# Altium PCB ir-24v-shit5-7.PcbDoc (part 2 of 6)
Units mm, origin at the board's own origin, x right, y up, seen from the top; angles counter-clockwise.
Board outline 326.8 x 258 mm, 2 copper layers (Top Layer, Bottom Layer); 1190 components, 31 nets, 3220 pads, 0 vias.
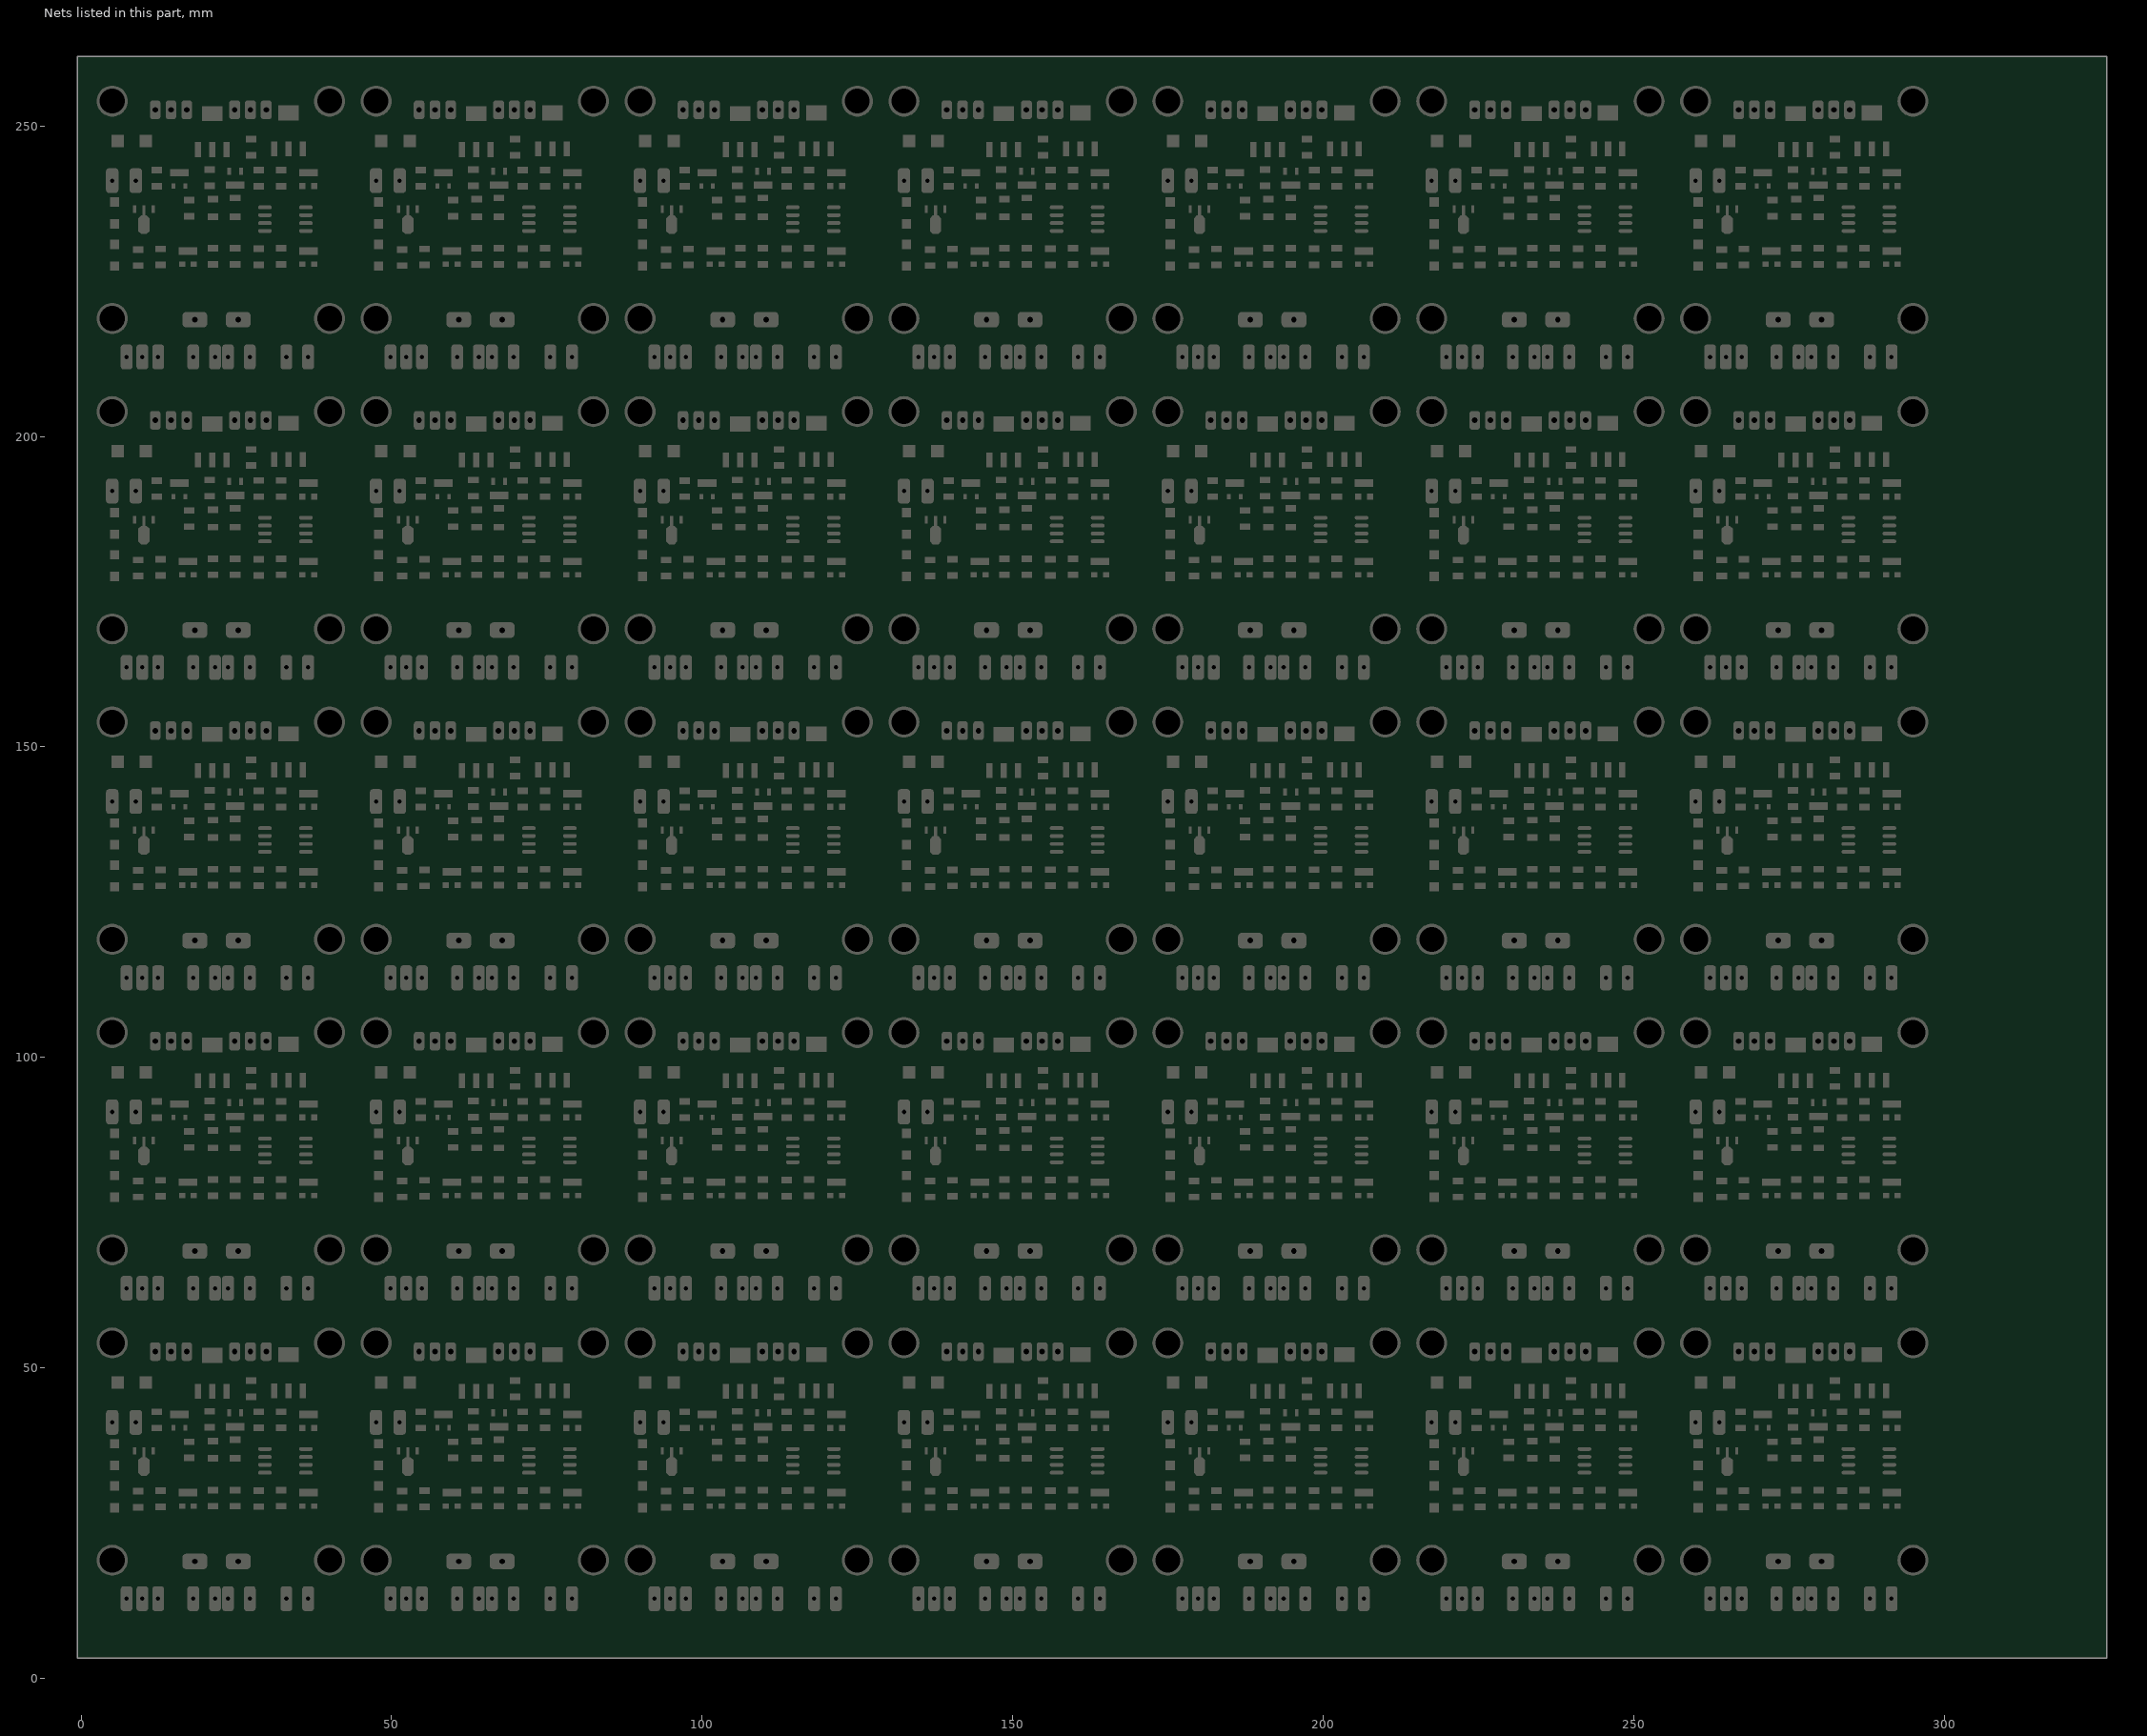
[diagram p2: the nets of this part, all layers, seen from the top]

## Components (designator, comment, footprint, x,y, rotation, side; value= is the part's Value field where it differs from the comment) (continued)
R12 "10K" "RES 1206 (3216X08L)"#1 113.587,128.924 r270 top
R12 "10K" "RES 1206 (3216X08L)"#1 113.587,178.924 r270 top
R12 "10K" "RES 1206 (3216X08L)"#1 113.587,228.924 r270 top
R12 "10K" "RES 1206 (3216X08L)"#1 71.087,28.924 r270 top
R12 "10K" "RES 1206 (3216X08L)"#1 71.087,78.924 r270 top
R12 "10K" "RES 1206 (3216X08L)"#1 71.087,128.924 r270 top
R12 "10K" "RES 1206 (3216X08L)"#1 71.087,178.924 r270 top
R12 "10K" "RES 1206 (3216X08L)"#1 71.087,228.924 r270 top
R12 "10K" "RES 1206 (3216X08L)"#1 28.587,28.924 r270 top
R12 "10K" "RES 1206 (3216X08L)"#1 28.587,78.924 r270 top
R12 "10K" "RES 1206 (3216X08L)"#1 28.587,128.924 r270 top
R12 "10K" "RES 1206 (3216X08L)"#1 28.587,178.924 r270 top
R12 "10K" "RES 1206 (3216X08L)"#1 28.587,228.924 r270 top
R13 "10K" "RES 1206 (3216X08L)"#1 267.8,28.905 r270 top
R13 "10K" "RES 1206 (3216X08L)"#1 267.8,78.905 r270 top
R13 "10K" "RES 1206 (3216X08L)"#1 267.8,128.905 r270 top
R13 "10K" "RES 1206 (3216X08L)"#1 267.8,178.905 r270 top
R13 "10K" "RES 1206 (3216X08L)"#1 267.8,228.905 r270 top
R13 "10K" "RES 1206 (3216X08L)"#1 225.3,28.905 r270 top
R13 "10K" "RES 1206 (3216X08L)"#1 225.3,78.905 r270 top
R13 "10K" "RES 1206 (3216X08L)"#1 225.3,128.905 r270 top
R13 "10K" "RES 1206 (3216X08L)"#1 225.3,178.905 r270 top
R13 "10K" "RES 1206 (3216X08L)"#1 225.3,228.905 r270 top
R13 "10K" "RES 1206 (3216X08L)"#1 182.8,28.905 r270 top
R13 "10K" "RES 1206 (3216X08L)"#1 182.8,78.905 r270 top
R13 "10K" "RES 1206 (3216X08L)"#1 182.8,128.905 r270 top
R13 "10K" "RES 1206 (3216X08L)"#1 182.8,178.905 r270 top
R13 "10K" "RES 1206 (3216X08L)"#1 182.8,228.905 r270 top
R13 "10K" "RES 1206 (3216X08L)"#1 140.3,28.905 r270 top
R13 "10K" "RES 1206 (3216X08L)"#1 140.3,78.905 r270 top
R13 "10K" "RES 1206 (3216X08L)"#1 140.3,128.905 r270 top
R13 "10K" "RES 1206 (3216X08L)"#1 140.3,178.905 r270 top
R13 "10K" "RES 1206 (3216X08L)"#1 140.3,228.905 r270 top
R13 "10K" "RES 1206 (3216X08L)"#1 97.8,28.905 r270 top
R13 "10K" "RES 1206 (3216X08L)"#1 97.8,78.905 r270 top
R13 "10K" "RES 1206 (3216X08L)"#1 97.8,128.905 r270 top
R13 "10K" "RES 1206 (3216X08L)"#1 97.8,178.905 r270 top
R13 "10K" "RES 1206 (3216X08L)"#1 97.8,228.905 r270 top
R13 "10K" "RES 1206 (3216X08L)"#1 55.3,28.905 r270 top
R13 "10K" "RES 1206 (3216X08L)"#1 55.3,78.905 r270 top
R13 "10K" "RES 1206 (3216X08L)"#1 55.3,128.905 r270 top
R13 "10K" "RES 1206 (3216X08L)"#1 55.3,178.905 r270 top
R13 "10K" "RES 1206 (3216X08L)"#1 55.3,228.905 r270 top
R13 "10K" "RES 1206 (3216X08L)"#1 12.8,28.905 r270 top
R13 "10K" "RES 1206 (3216X08L)"#1 12.8,78.905 r270 top
R13 "10K" "RES 1206 (3216X08L)"#1 12.8,128.905 r270 top
R13 "10K" "RES 1206 (3216X08L)"#1 12.8,178.905 r270 top
R13 "10K" "RES 1206 (3216X08L)"#1 12.8,228.905 r270 top
R15 "10K" "RES 1206 (3216X08L)"#1 276.2,29 r90 top
R15 "10K" "RES 1206 (3216X08L)"#1 276.2,79 r90 top
R15 "10K" "RES 1206 (3216X08L)"#1 276.2,129 r90 top
R15 "10K" "RES 1206 (3216X08L)"#1 276.2,179 r90 top
R15 "10K" "RES 1206 (3216X08L)"#1 276.2,229 r90 top
R15 "10K" "RES 1206 (3216X08L)"#1 233.7,29 r90 top
R15 "10K" "RES 1206 (3216X08L)"#1 233.7,79 r90 top
R15 "10K" "RES 1206 (3216X08L)"#1 233.7,129 r90 top
R15 "10K" "RES 1206 (3216X08L)"#1 233.7,179 r90 top
R15 "10K" "RES 1206 (3216X08L)"#1 233.7,229 r90 top
R15 "10K" "RES 1206 (3216X08L)"#1 191.2,29 r90 top
R15 "10K" "RES 1206 (3216X08L)"#1 191.2,79 r90 top
R15 "10K" "RES 1206 (3216X08L)"#1 191.2,129 r90 top
R15 "10K" "RES 1206 (3216X08L)"#1 191.2,179 r90 top
R15 "10K" "RES 1206 (3216X08L)"#1 191.2,229 r90 top
R15 "10K" "RES 1206 (3216X08L)"#1 148.7,29 r90 top
R15 "10K" "RES 1206 (3216X08L)"#1 148.7,79 r90 top
R15 "10K" "RES 1206 (3216X08L)"#1 148.7,129 r90 top
R15 "10K" "RES 1206 (3216X08L)"#1 148.7,179 r90 top
R15 "10K" "RES 1206 (3216X08L)"#1 148.7,229 r90 top
R15 "10K" "RES 1206 (3216X08L)"#1 106.2,29 r90 top
R15 "10K" "RES 1206 (3216X08L)"#1 106.2,79 r90 top
R15 "10K" "RES 1206 (3216X08L)"#1 106.2,129 r90 top
R15 "10K" "RES 1206 (3216X08L)"#1 106.2,179 r90 top
R15 "10K" "RES 1206 (3216X08L)"#1 106.2,229 r90 top
R15 "10K" "RES 1206 (3216X08L)"#1 63.7,29 r90 top
R15 "10K" "RES 1206 (3216X08L)"#1 63.7,79 r90 top
R15 "10K" "RES 1206 (3216X08L)"#1 63.7,129 r90 top
R15 "10K" "RES 1206 (3216X08L)"#1 63.7,179 r90 top
R15 "10K" "RES 1206 (3216X08L)"#1 63.7,229 r90 top
R15 "10K" "RES 1206 (3216X08L)"#1 21.2,29 r90 top
R15 "10K" "RES 1206 (3216X08L)"#1 21.2,79 r90 top
R15 "10K" "RES 1206 (3216X08L)"#1 21.2,129 r90 top
R15 "10K" "RES 1206 (3216X08L)"#1 21.2,179 r90 top
R15 "10K" "RES 1206 (3216X08L)"#1 21.2,229 r90 top
R16 "10K" "RES 1206 (3216X08L)"#1 279.8,29 r90 top
R16 "10K" "RES 1206 (3216X08L)"#1 279.8,79 r90 top
R16 "10K" "RES 1206 (3216X08L)"#1 279.8,129 r90 top
R16 "10K" "RES 1206 (3216X08L)"#1 279.8,179 r90 top
R16 "10K" "RES 1206 (3216X08L)"#1 279.8,229 r90 top
R16 "10K" "RES 1206 (3216X08L)"#1 237.3,29 r90 top
R16 "10K" "RES 1206 (3216X08L)"#1 237.3,79 r90 top
R16 "10K" "RES 1206 (3216X08L)"#1 237.3,129 r90 top
R16 "10K" "RES 1206 (3216X08L)"#1 237.3,179 r90 top
R16 "10K" "RES 1206 (3216X08L)"#1 237.3,229 r90 top
R16 "10K" "RES 1206 (3216X08L)"#1 194.8,29 r90 top
R16 "10K" "RES 1206 (3216X08L)"#1 194.8,79 r90 top
R16 "10K" "RES 1206 (3216X08L)"#1 194.8,129 r90 top
R16 "10K" "RES 1206 (3216X08L)"#1 194.8,179 r90 top
R16 "10K" "RES 1206 (3216X08L)"#1 194.8,229 r90 top
R16 "10K" "RES 1206 (3216X08L)"#1 152.3,29 r90 top
R16 "10K" "RES 1206 (3216X08L)"#1 152.3,79 r90 top
R16 "10K" "RES 1206 (3216X08L)"#1 152.3,129 r90 top
R16 "10K" "RES 1206 (3216X08L)"#1 152.3,179 r90 top
R16 "10K" "RES 1206 (3216X08L)"#1 152.3,229 r90 top
R16 "10K" "RES 1206 (3216X08L)"#1 109.8,29 r90 top
R16 "10K" "RES 1206 (3216X08L)"#1 109.8,79 r90 top
R16 "10K" "RES 1206 (3216X08L)"#1 109.8,129 r90 top
R16 "10K" "RES 1206 (3216X08L)"#1 109.8,179 r90 top
R16 "10K" "RES 1206 (3216X08L)"#1 109.8,229 r90 top
R16 "10K" "RES 1206 (3216X08L)"#1 67.3,29 r90 top
R16 "10K" "RES 1206 (3216X08L)"#1 67.3,79 r90 top
R16 "10K" "RES 1206 (3216X08L)"#1 67.3,129 r90 top
R16 "10K" "RES 1206 (3216X08L)"#1 67.3,179 r90 top
R16 "10K" "RES 1206 (3216X08L)"#1 67.3,229 r90 top
R16 "10K" "RES 1206 (3216X08L)"#1 24.8,29 r90 top
R16 "10K" "RES 1206 (3216X08L)"#1 24.8,79 r90 top
R16 "10K" "RES 1206 (3216X08L)"#1 24.8,129 r90 top
R16 "10K" "RES 1206 (3216X08L)"#1 24.8,179 r90 top
R16 "10K" "RES 1206 (3216X08L)"#1 24.8,229 r90 top
U1 "ATtiny15L-1SC" 8S2_N 288,35 r0 top
U1 "ATtiny15L-1SC" 8S2_N 288,85 r0 top
U1 "ATtiny15L-1SC" 8S2_N 288,135 r0 top
U1 "ATtiny15L-1SC" 8S2_N 288,185 r0 top
U1 "ATtiny15L-1SC" 8S2_N 288,235 r0 top
U1 "ATtiny15L-1SC" 8S2_N 245.5,35 r0 top
U1 "ATtiny15L-1SC" 8S2_N 245.5,85 r0 top
U1 "ATtiny15L-1SC" 8S2_N 245.5,135 r0 top
U1 "ATtiny15L-1SC" 8S2_N 245.5,185 r0 top
U1 "ATtiny15L-1SC" 8S2_N 245.5,235 r0 top
U1 "ATtiny15L-1SC" 8S2_N 203,35 r0 top
U1 "ATtiny15L-1SC" 8S2_N 203,85 r0 top
U1 "ATtiny15L-1SC" 8S2_N 203,135 r0 top
U1 "ATtiny15L-1SC" 8S2_N 203,185 r0 top
U1 "ATtiny15L-1SC" 8S2_N 203,235 r0 top
U1 "ATtiny15L-1SC" 8S2_N 160.5,35 r0 top
U1 "ATtiny15L-1SC" 8S2_N 160.5,85 r0 top
U1 "ATtiny15L-1SC" 8S2_N 160.5,135 r0 top
U1 "ATtiny15L-1SC" 8S2_N 160.5,185 r0 top
U1 "ATtiny15L-1SC" 8S2_N 160.5,235 r0 top
U1 "ATtiny15L-1SC" 8S2_N 118,35 r0 top
U1 "ATtiny15L-1SC" 8S2_N 118,85 r0 top
U1 "ATtiny15L-1SC" 8S2_N 118,135 r0 top
U1 "ATtiny15L-1SC" 8S2_N 118,185 r0 top
U1 "ATtiny15L-1SC" 8S2_N 118,235 r0 top
U1 "ATtiny15L-1SC" 8S2_N 75.5,35 r0 top
U1 "ATtiny15L-1SC" 8S2_N 75.5,85 r0 top
U1 "ATtiny15L-1SC" 8S2_N 75.5,135 r0 top
U1 "ATtiny15L-1SC" 8S2_N 75.5,185 r0 top
U1 "ATtiny15L-1SC" 8S2_N 75.5,235 r0 top
U1 "ATtiny15L-1SC" 8S2_N 33,35 r0 top
U1 "ATtiny15L-1SC" 8S2_N 33,85 r0 top
U1 "ATtiny15L-1SC" 8S2_N 33,135 r0 top
U1 "ATtiny15L-1SC" 8S2_N 33,185 r0 top
U1 "ATtiny15L-1SC" 8S2_N 33,235 r0 top
U2 "LM1117MP-3.3" SOT89L 265.1,34.9 r270 top
U2 "LM1117MP-3.3" SOT89L 265.1,84.9 r270 top
U2 "LM1117MP-3.3" SOT89L 265.1,134.9 r270 top
U2 "LM1117MP-3.3" SOT89L 265.1,184.9 r270 top
U2 "LM1117MP-3.3" SOT89L 265.1,234.9 r270 top
U2 "LM1117MP-3.3" SOT89L 222.6,34.9 r270 top
U2 "LM1117MP-3.3" SOT89L 222.6,84.9 r270 top
U2 "LM1117MP-3.3" SOT89L 222.6,134.9 r270 top
U2 "LM1117MP-3.3" SOT89L 222.6,184.9 r270 top
U2 "LM1117MP-3.3" SOT89L 222.6,234.9 r270 top
U2 "LM1117MP-3.3" SOT89L 180.1,34.9 r270 top
U2 "LM1117MP-3.3" SOT89L 180.1,84.9 r270 top
U2 "LM1117MP-3.3" SOT89L 180.1,134.9 r270 top
U2 "LM1117MP-3.3" SOT89L 180.1,184.9 r270 top
U2 "LM1117MP-3.3" SOT89L 180.1,234.9 r270 top
U2 "LM1117MP-3.3" SOT89L 137.6,34.9 r270 top
U2 "LM1117MP-3.3" SOT89L 137.6,84.9 r270 top
U2 "LM1117MP-3.3" SOT89L 137.6,134.9 r270 top
U2 "LM1117MP-3.3" SOT89L 137.6,184.9 r270 top
U2 "LM1117MP-3.3" SOT89L 137.6,234.9 r270 top
U2 "LM1117MP-3.3" SOT89L 95.1,34.9 r270 top
U2 "LM1117MP-3.3" SOT89L 95.1,84.9 r270 top
U2 "LM1117MP-3.3" SOT89L 95.1,134.9 r270 top
U2 "LM1117MP-3.3" SOT89L 95.1,184.9 r270 top
U2 "LM1117MP-3.3" SOT89L 95.1,234.9 r270 top
U2 "LM1117MP-3.3" SOT89L 52.6,34.9 r270 top
U2 "LM1117MP-3.3" SOT89L 52.6,84.9 r270 top
U2 "LM1117MP-3.3" SOT89L 52.6,134.9 r270 top
U2 "LM1117MP-3.3" SOT89L 52.6,184.9 r270 top
U2 "LM1117MP-3.3" SOT89L 52.6,234.9 r270 top
U2 "LM1117MP-3.3" SOT89L 10.1,34.9 r270 top
U2 "LM1117MP-3.3" SOT89L 10.1,84.9 r270 top
U2 "LM1117MP-3.3" SOT89L 10.1,134.9 r270 top
U2 "LM1117MP-3.3" SOT89L 10.1,184.9 r270 top
U2 "LM1117MP-3.3" SOT89L 10.1,234.9 r270 top

## Footprints (in the part's own frame and the unit in brackets; to place one, negate y for a bottom-side part, rotate by r counter-clockwise, add the part's x,y. Pads: shape width x height; smd on the part's side, far side on the other; paste and mask are expansions set on the pad)
3.2X1.6X1.1#1 [mm] "SMT LED; 2 Flat Leads"
  rect 2x2 smd: 1(-2,0) 2(2.55,0)
  silkscreen extent -2.9,-1.4 3.95,1.4
3.2X1.6X1.1#2 [mm] "SMT LED; 2 Flat Leads"
  rect 1.5x1.5 smd: 1(-1.75,0) 2(1.75,0)
  silkscreen extent -2.9,-1.15 3.2,1.15
3.2X1.6X1.1#3 [mm] "SMT LED; 2 Flat Leads"
  rrect50% 1.9x4 hole 0.7: 1(-1.75,0) 2(1.75,0)
3.2X1.6X1.1#4 [mm] "SMT LED; 2 Flat Leads"
  rrect50% 1.9x4 hole 0.7: 1(-1.75,0.2) 2(1.75,0.2)
3.2X1.6X1.1#5 [mm] "SMT LED; 2 Flat Leads"
  rrect50% 1.9x4 hole 0.7: 1(-1.75,-0.2) 2(1.75,-0.2)
8S2_N [mm] "SOP, 8-Leads, Body 5.3x5.3mm, Pitch 1.27mm, IPC Medium Density"
  oval 2.2x0.6 smd: 1(-3.4,1.905) 2(-3.4,0.635) 3(-3.4,-0.635) 4(-3.4,-1.905) 5(3.2,-1.905) 6(3.2,-0.635) 7(3.2,0.635) 8(3.2,1.905)
  silkscreen extent -3.52,-2.75 1.9,2.88, body extent -2.73,-2.75 2.73,2.75, height 2.16
BUZZER [mm] "BUZZER"
  rrect50% 4x2.5 hole 0.9: 1(-3.5,0) 2(3.5,0)
  silkscreen extent -6,-6 6,6
"CAP 1206"#1 [mm]
  rect 1.05x1.7 smd: 1(-1.27,0) 2(1.326,0)
  silkscreen extent -0.47,-0.75 0.53,0.75, body extent -1.49,-0.77 1.55,0.75, height 0.75
"CAP 1206"#2 [mm]
  rect 1.05x1.7 smd: 1(-1.4,0) 2(1.4,0)
  silkscreen extent -0.47,-0.75 0.53,0.75, body extent -1.49,-0.77 1.55,0.75, height 0.75
ELEC-CAP-RAD15-30 [mm]
  rrect50% 2x4 hole 0.7: 1(-1.8,0.2) 2(2,0.2)
  silkscreen extent -4.06,-4.06 4.06,4.06, body extent -4.25,-4.25 4.24,4.25, height 15.46
"HEADER 3X1"#1 [mm]
  rrect50% 1.778x3 hole 0.9: 1(0,0) 2(2.54,0) 3(5.08,0)
  silkscreen extent -1.4,-2.2 6.48,6.8, body extent -1.24,-1.27 6.38,1.27, height 8.38
"HEADER 3X1"#2 [mm]
  rrect50% 1.9x4 hole 0.7: 1(0,0) 2(2.54,0) 3(5.08,0)
  silkscreen extent -1.4,-4.6 6.48,2.52, body extent -1.24,-1.27 6.38,1.27, height 8.38
"HEADER 3X1"#3 [mm]
  rrect50% 1.7x3 hole 0.9: 1(0,0) 2(2.54,0) 3(5.08,0)
  silkscreen extent -1.4,-2.2 6.48,6.8, body extent -1.24,-1.27 6.38,1.27, height 8.38
"RES 1206 (3216X08L)"#1 [mm] "Chip Resistor, 2-Leads, Body 3.2x1.6mm, IPC High Density _ (0.125 W)"
  rect 1.05x1.7 smd: 1(-1.295,0) 2(1.301,0)
  silkscreen extent -0.5,-0.75 0.5,0.75, body extent -1.52,-0.76 1.53,0.76, height 0.6
"RES 1206 (3216X08L)"#2 [mm] "Chip Resistor, 2-Leads, Body 3.2x1.6mm, IPC High Density _ (0.125 W)"
  rect 1.05x1.7 smd: 1(-1.495,0) 2(1.505,0)
  silkscreen extent -0.5,-0.75 0.5,0.75, body extent -1.52,-0.76 1.53,0.76, height 0.6
SOT89L [mm] "SOT89, 3-Leads, Body 4.5x2.4 mm, Pitch 1.5mm, Lead Span 4.1mm, IPC High Density"
  rect 1.2x0.5 smd: 1(-1.7,1.5) 3(-1.7,-1.5)
  rect 1.6x0.5 smd: 2(-1.5,0)
  oct 3x1.8 smd: 2(0.8,0)
  silkscreen extent -2.07,-2.3 1.3,2.43, body extent -1.3,-2.3 1.3,2.3, height 1.6
SOT223_N [mm] "SOT223, 4-Leads, Body 6.5x3.5mm, Pitch 2.3mm, Lead Span 7mm, IPC Medium Density"
  rect 2.4x1 smd: 1(-2.9,2.3) 2(-2.9,0) 3(-2.9,-2.3)
  rect 2.4x3.3 smd: 4(2.9,0)
  silkscreen extent -3.02,-3.35 1.4,3.47, body extent -1.85,-3.35 1.85,3.35, height 1.7
SOT-23B_L#1 [mm] "SOT23, 3-Leads, Body 2.9x1.3mm, Pitch 0.95mm, Lead Span 2.4mm, IPC High Density"
  rect 0.85x0.6 smd: 1(-1.075,0.95) 2(-1.075,-0.95)
  rect 1.2x3 smd: 3(1.075,0)
  silkscreen extent -1.2,-1.5 0.7,1.92, body extent -0.7,-1.5 0.7,1.5, height 1.14
SOT-23B_L#2 [mm] "SOT23, 3-Leads, Body 2.9x1.3mm, Pitch 0.95mm, Lead Span 2.4mm, IPC High Density"
  rect 1x1 smd: 1(-1.075,0.95) 2(-1.075,-0.95)
  rect 1.2x3 smd: 3(1.075,0)
  silkscreen extent -1.2,-1.5 0.7,1.92, body extent -0.7,-1.5 0.7,1.5, height 1.14
SOT-23B_L#3 [mm] "SOT23, 3-Leads, Body 2.9x1.3mm, Pitch 0.95mm, Lead Span 2.4mm, IPC High Density"
  rect 0.85x1 smd: 1(-1.075,0.95) 2(-1.075,-0.95)
  rect 1.2x3 smd: 3(1.075,0)
  silkscreen extent -1.2,-1.5 0.7,1.92, body extent -0.7,-1.5 0.7,1.5, height 1.14
SOT-23B_N [mm] "SOT23, 3-Leads, Body 2.9x1.3mm, Pitch 0.95mm, Lead Span 2.4mm, IPC Medium Density"
  rect 1.15x0.6 smd: 1(-1.125,0.95) 2(-1.125,-0.95)
  rect 1.2x3 smd: 3(1.125,0)
  silkscreen extent -2.2,-1.9 2.1,1.93, body extent -0.7,-1.5 0.7,1.5, height 1.14

## Part data
C1 C1 C1 C1 C1 C1 C1 C1 C1 C1 C1 C1 C1 C1 C1 C1 C1 C1 C1 C1 C1 C1 C1 C1 C1 C1 C1 C1 C1 C1 C1 C1 C1 C1 C1 C2 C2 C2 C2 C2 C2 C2 C2 C2 C2 C2 C2 C2 C2 C2 C2 C2 C2 C2 C2 C2 C2 C2 C2 C2 C2 C2 C2 C2 C2 C2 C2 C2 C2 C2: library part Capacitor, "Capacitor"
C5 C5 C5 C5 C5 C5 C5 C5 C5 C5 C5 C5 C5 C5 C5 C5 C5 C5 C5 C5 C5 C5 C5 C5 C5 C5 C5 C5 C5 C5 C5 C5 C5 C5 C5: library part "Capacitor Electrolytic", "Electrolytic Capacitor"
D1 D1 D1 D1 D1 D1 D1 D1 D1 D1 D1 D1 D1 D1 D1 D1 D1 D1 D1 D1 D1 D1 D1 D1 D1 D1 D1 D1 D1 D1 D1 D1 D1 D1 D1 D2 D2 D2 D2 D2 D2 D2 D2 D2 D2 D2 D2 D2 D2 D2 D2 D2 D2 D2 D2 D2 D2 D2 D2 D2 D2 D2 D2 D2 D2 D2 D2 D2 D2 D2 D6 D6 D6 D6 D6 D6 D6 D6 D6 D6 D6 D6 D6 D6 D6 D6 D6 D6 D6 D6 D6 D6 D6 D6 D6 D6 D6 D6 D6 D6 D6 D6 D6 D6 D6: "Tunnel Diode - RLC Model", LatestRevisionDate=17-Jul-2002, LatestRevisionNote="Re-released for DXP Platform.", PackageDescription="SM LED; 2 Flat Leads", PackageReference=3.2X1.6X1.1, PackageVersion=Feb-2002, Published=8-Jun-2000, Publisher="Altium Limited", Simulation ModelName=DTUNNEL1, Simulation PortMap=(1:1),(2:2)
D3 D3 D3 D3 D3 D3 D3 D3 D3 D3 D3 D3 D3 D3 D3 D3 D3 D3 D3 D3 D3 D3 D3 D3 D3 D3 D3 D3 D3 D3 D3 D3 D3 D3 D3 D4 D4 D4 D4 D4 D4 D4 D4 D4 D4 D4 D4 D4 D4 D4 D4 D4 D4 D4 D4 D4 D4 D4 D4 D4 D4 D4 D4 D4 D4 D4 D4 D4 D4 D4 D5 D5 D5 D5 D5 D5 D5 D5 D5 D5 D5 D5 D5 D5 D5 D5 D5 D5 D5 D5 D5 D5 D5 D5 D5 D5 D5 D5 D5 D5 D5 D5 D5 D5 D5: "Typical RED, GREEN, YELLOW, AMBER GaAs LED", LatestRevisionDate=17-Jul-2002, LatestRevisionNote="Re-released for DXP Platform.", PackageDescription="SM LED; 2 Flat Leads", PackageReference=3.2X1.6X1.1, PackageVersion=Feb-2002, Published=8-Jun-2000, Publisher="Altium Limited", Simulation ModelName=LED2, Simulation PortMap=(1:1),(2:2)
Q1 Q1 Q1 Q1 Q1 Q1 Q1 Q1 Q1 Q1 Q1 Q1 Q1 Q1 Q1 Q1 Q1 Q1 Q1 Q1 Q1 Q1 Q1 Q1 Q1 Q1 Q1 Q1 Q1 Q1 Q1 Q1 Q1 Q1 Q1 Q4 Q4 Q4 Q4 Q4 Q4 Q4 Q4 Q4 Q4 Q4 Q4 Q4 Q4 Q4 Q4 Q4 Q4 Q4 Q4 Q4 Q4 Q4 Q4 Q4 Q4 Q4 Q4 Q4 Q4 Q4 Q4 Q4 Q4 Q4: "P-Channel MOSFET, Externally Terminated Substrate", Code_IPC=SOT223-4, Code_JEDEC=TO-261-AA-B, Code_JEITA=SC-75, LatestRevisionDate=29-May-2009, LatestRevisionNote="IPC-7351 Footprint Added.", PackageDescription="4-Pin SOT-223 Package 2.3 mm Pitch, 7 mm Lead Span", PackageReference=SOT223, PackageVersion=2002, Published=24-Mar-1999, Publisher="Altium Limited", Simulation ModelName=PMOS, Simulation PortMap=(1:2),(2:1),(3:4),(4:3)
Q2 Q2 Q2 Q2 Q2 Q2 Q2 Q2 Q2 Q2 Q2 Q2 Q2 Q2 Q2 Q2 Q2 Q2 Q2 Q2 Q2 Q2 Q2 Q2 Q2 Q2 Q2 Q2 Q2 Q2 Q2 Q2 Q2 Q2 Q2 Q5 Q5 Q5 Q5 Q5 Q5 Q5 Q5 Q5 Q5 Q5 Q5 Q5 Q5 Q5 Q5 Q5 Q5 Q5 Q5 Q5 Q5 Q5 Q5 Q5 Q5 Q5 Q5 Q5 Q5 Q5 Q5 Q5 Q5 Q5 Q8 Q8 Q8 Q8 Q8 Q8 Q8 Q8 Q8 Q8 Q8 Q8 Q8 Q8 Q8 Q8 Q8 Q8 Q8 Q8 Q8 Q8 Q8 Q8 Q8 Q8 Q8 Q8 Q8 Q8 Q8 Q8 Q8 Q8 Q8 Q9 Q9 Q9 Q9 Q9 Q9 Q9 Q9 Q9 Q9 Q9 Q9 Q9 Q9 Q9 Q9 Q9 Q9 Q9 Q9 Q9 Q9 Q9 Q9 Q9 Q9 Q9 Q9 Q9 Q9 Q9 Q9 Q9 Q9 Q9: "NPN Bipolar Transistor", LatestRevisionDate=29-May-2009, LatestRevisionNote="IPC-7351 Footprint Added.", PackageDescription="3-Pin SOT-23 Package 0.95 mm Pitch, 2.4 mm Lead Span", PackageReference=SOT-23B, PackageVersion=Aug-1999, Published=8-Jun-2000, Publisher="Altium Limited", Simulation ModelName=QNPN, Simulation PortMap=(1:1),(2:2),(3:3)
Q3 Q3 Q3 Q3 Q3 Q3 Q3 Q3 Q3 Q3 Q3 Q3 Q3 Q3 Q3 Q3 Q3 Q3 Q3 Q3 Q3 Q3 Q3 Q3 Q3 Q3 Q3 Q3 Q3 Q3 Q3 Q3 Q3 Q3 Q3: "PNP Bipolar Transistor", LatestRevisionDate=29-May-2009, LatestRevisionNote="IPC-7351 Footprint Added.", PackageDescription="3-Pin SOT-23 Package 0.95 mm Pitch, 2.4 mm Lead Span", PackageReference=SOT-23B, PackageVersion=Aug-1999, Published=8-Jun-2000, Publisher="Altium Limited", Simulation ModelName=PNP, Simulation PortMap=(1:1),(2:2),(3:3)
R1 R1 R1 R1 R1 R1 R1 R1 R1 R1 R1 R1 R1 R1 R1 R1 R1 R1 R1 R1 R1 R1 R1 R1 R1 R1 R1 R1 R1 R1 R1 R1 R1 R1 R1 R2 R2 R2 R2 R2 R2 R2 R2 R2 R2 R2 R2 R2 R2 R2 R2 R2 R2 R2 R2 R2 R2 R2 R2 R2 R2 R2 R2 R2 R2 R2 R2 R2 R2 R2 R3 R3 R3 R3 R3 R3 R3 R3 R3 R3 R3 R3 R3 R3 R3 R3 R3 R3 R3 R3 R3 R3 R3 R3 R3 R3 R3 R3 R3 R3 R3 R3 R3 R3 R3 R4 R4 R4 R4 R4 R4 R4 R4 R4 R4 R4 R4 R4 R4 R4 R4 R4 R4 R4 R4 R4 R4 R4 R4 R4 R4 R4 R4 R4 R4 R4 R4 R4 R4 R4 R5 R5 R5 R5 R5 R5 R5 R5 R5 R5 R5 R5 R5 R5 R5 R5 R5 R5 R5 R5 R5 R5 R5 R5 R5 R5 R5 R5 R5 R5 R5 R5 R5 R5 R5 R6 R6 R6 R6 R6 R6 R6 R6 R6 R6 R6 R6 R6 R6 R6 R6 R6 R6 R6 R6 R6 R6 R6 R6 R6 R6 R6 R6 R6 R6 R6 R6 R6 R6 R6 R7 R7 R7 R7 R7 R7 R7 R7 R7 R7 R7 R7 R7 R7 R7 R7 R7 R7 R7 R7 R7 R7 R7 R7 R7 R7 R7 R7 R7 R7 R7 R7 R7 R7 R7 R11 R11 R11 R11 R11 R11 R11 R11 R11 R11 R11 R11 R11 R11 R11 R11 R11 R11 R11 R11 R11 R11 R11 R11 R11 R11 R11 R11 R11 R11 R11 R11 R11 R11 R11 R12 R12 R12 R12 R12 R12 R12 R12 R12 R12 R12 R12 R12 R12 R12 R12 R12 R12 R12 R12 R12 R12 R12 R12 R12 R12 R12 R12 R12 R12 R12 R12 R12 R12 R12 R13 R13 R13 R13 R13 R13 R13 R13 R13 R13 R13 R13 R13 R13 R13 R13 R13 R13 R13 R13 R13 R13 R13 R13 R13 R13 R13 R13 R13 R13 R13 R13 R13 R13 R13 R15 R15 R15 R15 R15 R15 R15 R15 R15 R15 R15 R15 R15 R15 R15 R15 R15 R15 R15 R15 R15 R15 R15 R15 R15 R15 R15 R15 R15 R15 R15 R15 R15 R15 R15 R16 R16 R16 R16 R16 R16 R16 R16 R16 R16 R16 R16 R16 R16 R16 R16 R16 R16 R16 R16 R16 R16 R16 R16 R16 R16 R16 R16 R16 R16 R16 R16 R16 R16 R16: library part Resistor, "Resistor", Power="1/4 W", Tolerance=5%, Simulation ModelName="Model Name", Simulation PortMap=(1:1),(2:2)
U1 U1 U1 U1 U1 U1 U1 U1 U1 U1 U1 U1 U1 U1 U1 U1 U1 U1 U1 U1 U1 U1 U1 U1 U1 U1 U1 U1 U1 U1 U1 U1 U1 U1 U1: "8-Bit AVR Microcontroller with 1K Byte of Flash Memory", Supplier Part Number 1=ATTINY15L-1SC-ND, ComponentLink1Description=Datasheet, ComponentLink1URL=http://www.atmel.com/dyn/resources/prod_documents/doc1187.pdf, ComponentLink2Description="Atmel.com Home", ComponentLink2URL=http://www.atmel.com, DatasheetVersion=1187E-AVR-06/02, LatestRevisionDate=16-Oct-2006, LatestRevisionNote="IPC-7351 Footprint Added.", PackageDescription="8-Lead, 0.208\" Body, Plastic Small Outline Package (EIAJ)", PackageReference=8S2, PackageVersion="revF, Apr-2008", Published=17-Sep-2003, Publisher="Altium Limited", Supplier 1=Digi-Key, Supplier 2=Mouser, Supplier Part Number 2=556-ATTINY15L1SC
U2 U2 U2 U2 U2 U2 U2 U2 U2 U2 U2 U2 U2 U2 U2 U2 U2 U2 U2 U2 U2 U2 U2 U2 U2 U2 U2 U2 U2 U2 U2 U2 U2 U2 U2: "800mA Low-Dropout Linear Regulator", DigiKeyPartNumber=LM1117MP-3.3CT-ND, Manufacturer="National Semiconductor", PackageTopMarking=XYTT*N05A, PowerWise=N, Code_IPC=SOT223-4, Code_JEDEC=TO-261-AA, ComponentLink1Description="LM1117 Datasheet", ComponentLink1URL=http://www.national.com/ds/LM/LM1117.pdf, ComponentLink2Description="LM1117 Web Page", ComponentLink2URL=http://www.national.com/pf/LM/LM1117.html, ComponentLink3Description="MP04A Package Page", ComponentLink3URL=http://www.national.com/packaging/folders/mp04a.html, CompType="LDO IC", DatasheetVersion=Apr-2006, PackageDescription="Molded SOT-223, 6.50 x 3.56 x 1.6mm Body, 4 Lead, 2.3mm Pitch", PackageReference=MP04A, PackageVersion="revB, Apr-2003", PartNumber=LM1117MP-3.3, PinCount=4, Published=4-Dec-2008, Publisher="Altium Limited", RoHS=O
Buzzer1 Buzzer1 Buzzer1 Buzzer1 Buzzer1 Buzzer1 Buzzer1 Buzzer1 Buzzer1 Buzzer1 Buzzer1 Buzzer1 Buzzer1 Buzzer1 Buzzer1 Buzzer1 Buzzer1 Buzzer1 Buzzer1 Buzzer1 Buzzer1 Buzzer1 Buzzer1 Buzzer1 Buzzer1 Buzzer1 Buzzer1 Buzzer1 Buzzer1 Buzzer1 Buzzer1 Buzzer1 Buzzer1 Buzzer1 Buzzer1: ComponentLinkURL=www.picpars.com, Designer="Seyed Mohsen Ghasemain"

## Free pads (board coordinates)
  round 5 hole 4: 2(5,54) 2(5,104) 2(5,154) 2(5,204) 2(5,254) 2(40,19) 2(40,69) 2(40,119) 2(40,169) 2(40,219) 2(47.5,54) 2(47.5,104) 2(47.5,154) 2(47.5,204) 2(47.5,254) 2(82.5,19) 2(82.5,69) 2(82.5,119) 2(82.5,169) 2(82.5,219) 2(90,54) 2(90,104) 2(90,154) 2(90,204) 2(90,254) 2(125,19) 2(125,69) 2(125,119) 2(125,169) 2(125,219) 2(132.5,54) 2(132.5,104) 2(132.5,154) 2(132.5,204) 2(132.5,254) 2(167.5,19) 2(167.5,69) 2(167.5,119) 2(167.5,169) 2(167.5,219) 2(175,54) 2(175,104) 2(175,154) 2(175,204) 2(175,254) 2(210,19) 2(210,69) 2(210,119) 2(210,169) 2(210,219) 2(217.5,54) 2(217.5,104) 2(217.5,154) 2(217.5,204) 2(217.5,254) 2(252.5,19) 2(252.5,69) 2(252.5,119) 2(252.5,169) 2(252.5,219) 2(260,54) 2(260,104) 2(260,154) 2(260,204) 2(260,254) 2(295,19) 2(295,69) 2(295,119) 2(295,169) 2(295,219) 3(5,19) 3(5,69) 3(5,119) 3(5,169) 3(5,219) 3(47.5,19) 3(47.5,69) 3(47.5,119) 3(47.5,169) 3(47.5,219) 3(90,19) 3(90,69) 3(90,119) 3(90,169) 3(90,219) 3(132.5,19) 3(132.5,69) 3(132.5,119) 3(132.5,169) 3(132.5,219) 3(175,19) 3(175,69) 3(175,119) 3(175,169) 3(175,219) 3(217.5,19) 3(217.5,69) 3(217.5,119) 3(217.5,169) 3(217.5,219) 3(260,19) 3(260,69) 3(260,119) 3(260,169) 3(260,219) 5(40,54) 5(40,104) 5(40,154) 5(40,204) 5(40,254) 5(82.5,54) 5(82.5,104) 5(82.5,154) 5(82.5,204) 5(82.5,254) 5(125,54) 5(125,104) 5(125,154) 5(125,204) 5(125,254) 5(167.5,54) 5(167.5,104) 5(167.5,154) 5(167.5,204) 5(167.5,254) 5(210,54) 5(210,104) 5(210,154) 5(210,204) 5(210,254) 5(252.5,54) 5(252.5,104) 5(252.5,154) 5(252.5,204) 5(252.5,254) 5(295,54) 5(295,104) 5(295,154) 5(295,204) 5(295,254)